# KiCad board NX-J401-Adapter.kicad_pcb (continued)
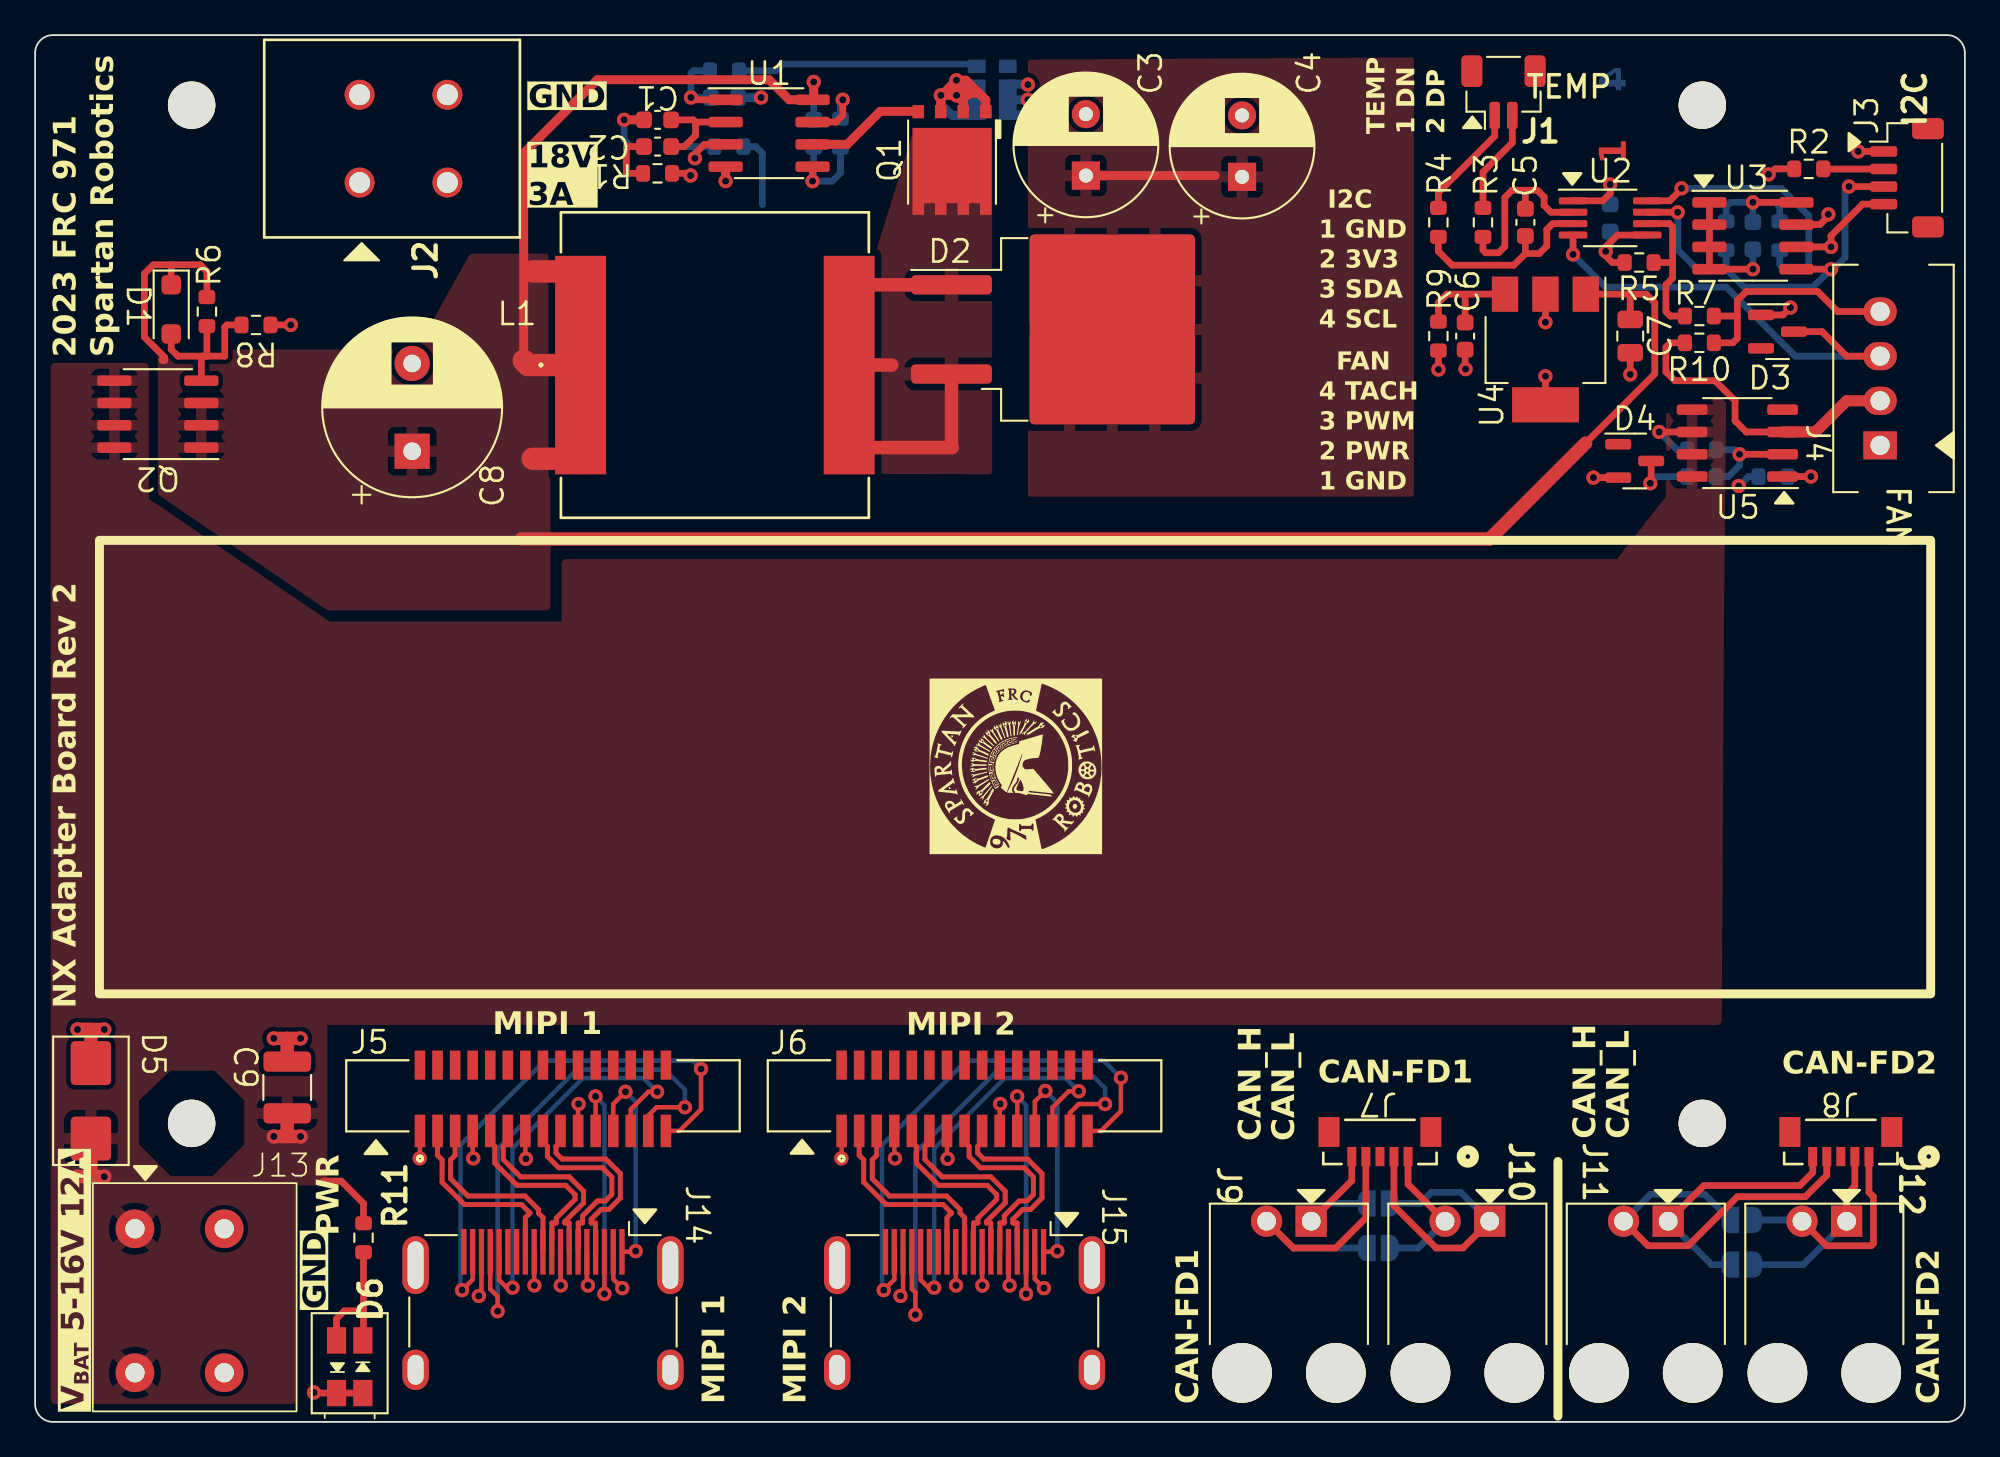
[diagram p0: board, top side]
## Library data of the parts (continued)
U5 = -: Description: Power Switch/Driver 1:1 N-Channel 2A PG-DSO-8-24; DIST: Digikey; DIST P/N: ISP762TFUMA1CT-ND; MFG: Infineon; MFG P/N: ISP762TFUMA1; Page: 5/5

## Footprints (pads in the part's own frame, mm; a bottom-side part is the same pattern mirrored in y, then rotated)
70543-0003
  rect 1.6x1.905 hole 1.092: 1(0,0)
  oval 1.6x1.905 hole 1.092: 2(-2.54,0) 3(-5.08,0) 4(-7.62,0)
70555-0001
  round 3.4 hole 3.4 unplated: (8.64,2.67) (8.64,-2.67)
  rect 1.778x1.778 hole 1.067: 1(0,1.27)
  round 1.778 hole 1.067: 2(0,-1.27)
C_0603_1608Metric
  rrect 0.9x0.95 smd: 1(-0.775,0) 2(0.775,0)
C_0805_2012Metric
  rrect 1x1.45 smd: 1(-0.95,0) 2(0.95,0)
C_1210_3225Metric
  rrect 1.15x2.7 smd: 1(-1.475,0) 2(1.475,0)
CONN_69140872_WRE
  round 1.702 hole 1.194: 1(0,0) 1(0,-5) 2(5,0) 2(5,-5)
CONN_BM05B-SURS-TF_JST
  rect 0.508x1.092 smd: 1(-1.6,0.83) 2(-0.8,0.83) 3(0,0.83) 4(0.8,0.83) 5(1.6,0.83)
  rect 1.194x1.702 smd: 6(-2.9,-0.57) 7(2.9,-0.57)
CP_Radial_D8.0mm_P3.50mm
  rect 1.6x1.6 hole 0.8: 1(0,0)
  round 1.6 hole 0.8: 2(3.5,0)
CP_Radial_D10.0mm_P5.00mm
  rect 2x2 hole 1: 1(0,0)
  round 2 hole 1: 2(5,0)
D_SMB
  rrect 2.5x2.3 smd: 1(-2.15,0) 2(2.15,0)
D_SOD-123F
  rrect 1.1x1.1 smd: 1(-1.4,0) 2(1.4,0)
HDMI_A_Molex_208658-1001_Horizontal
  rect 2.6x0.3 smd: 1(-3.285,4.5) 2(-3.285,4) 3(-3.285,3.5) 4(-3.285,3) 5(-3.285,2.5) 6(-3.285,2) 7(-3.285,1.5) 8(-3.285,1) 9(-3.285,0.5) 10(-3.285,0) 11(-3.285,-0.5) 12(-3.285,-1) 13(-3.285,-1.5) 14(-3.285,-2) 15(-3.285,-2.5) 16(-3.285,-3) 17(-3.285,-3.5) 18(-3.285,-4) 19(-3.285,-4.5)
  oval 3.3x1.5 hole 2.7x0.9: SH(-2.525,7.25) SH(-2.525,-7.25)
  oval 2.3x1.5 hole 1.7x0.9: SH(3.435,7.25) SH(3.435,-7.25)
IND_IHLP-6767GZ_VIS
  rect 2.896x12.446 smd: 1(-7.645,0) 2(7.645,0)
JST_SH_BM02B-SRSS-TB_1x02-1MP_P1.00mm_Vertical
  rrect 0.6x1.55 smd: 1(-0.5,-1.325) 2(0.5,-1.325)
  rrect 1.2x1.8 smd: MP(-1.8,1.2) MP(1.8,1.2)
JST_SH_BM04B-SRSS-TB_1x04-1MP_P1.00mm_Vertical
  rrect 0.6x1.55 smd: 1(-1.5,-1.325) 2(-0.5,-1.325) 3(0.5,-1.325) 4(1.5,-1.325)
  rrect 1.2x1.8 smd: MP(-2.8,1.2) MP(2.8,1.2)
LED-Dialight-5913001858F
  rect 1.5x1.09 smd: 1(1.5,-0.75) 2(-1.5,-0.75) 3(1.5,0.75) 4(-1.5,0.75)
MountingHole_2.7mm_M2.5
  round 2.7 hole 2.7 unplated: (0,0)
MSOP-8_3x3mm_P0.65mm
  rrect 1.625x0.4 smd: 1(-2.112,0.975) 2(-2.112,0.325) 3(-2.112,-0.325) 4(-2.112,-0.975) 5(2.112,-0.975) 6(2.112,-0.325) 7(2.112,0.325) 8(2.112,0.975)
R_0603_1608Metric
  rrect 0.8x0.95 smd: 1(-0.825,0) 2(0.825,0)
R_Shunt_Vishay_WSKW0612
  rect 2.287x1.01 smd: 1(-0.572,0.885) 4(-0.572,-0.885)
  rect 0.762x1.01 smd: 2(1.334,0.885) 3(1.334,-0.885)
SO-8_3.9x4.9mm_P1.27mm
  rrect 1.75x0.6 smd: 1(-2.575,1.905) 2(-2.575,0.635) 3(-2.575,-0.635) 4(-2.575,-1.905) 5(2.575,-1.905) 6(2.575,-0.635) 7(2.575,0.635) 8(2.575,1.905)
SOIC-8_3.9x4.9mm_P1.27mm
  rrect 1.95x0.6 smd: 1(-2.475,1.905) 2(-2.475,0.635) 3(-2.475,-0.635) 4(-2.475,-1.905) 5(2.475,-1.905) 6(2.475,-0.635) 7(2.475,0.635) 8(2.475,1.905)
SolderJumper-2_P1.3mm_Open_RoundedPad1.0x1.5mm
  custom 1x1.5 smd: 1(-0.65,0) 2(0.65,0)
SOT-23
  rrect 1.475x0.6 smd: 1(-0.938,0.95) 2(-0.938,-0.95) 3(0.938,0)
SOT-223-3_TabPin2
  rect 2x1.5 smd: 1(-3.15,2.3) 2(-3.15,0) 3(-3.15,-2.3)
  rect 2x3.8 smd: 2(3.15,0)
TE_1-1734248-5
  rect 0.6x1.85 smd: 1(-7,-2.025) 2(-6,-2.025) 3(-5,-2.025) 4(-4,-2.025) 5(-3,-2.025) 6(-2,-2.025) 7(-1,-2.025) 8(0,-2.025) 9(1,-2.025) 10(2,-2.025) 11(3,-2.025) 12(4,-2.025) 13(5,-2.025) 14(6,-2.025) 15(7,-2.025)
  rect 0.6x1.65 smd: 1_1(-7,1.725) 2_1(-6,1.725) 3_1(-5,1.725) 4_1(-4,1.725) 5_1(-3,1.725) 6_1(-2,1.725) 7_1(-1,1.725) 8_1(0,1.725) 9_1(1,1.725) 10_1(2,1.725) 11_1(3,1.725) 12_1(4,1.725) 13_1(5,1.725) 14_1(6,1.725) 15_1(7,1.725)
TI-SON5x6
  rect 0.75x0.66 smd: 1(2.75,-1.92) 2(2.75,-0.64) 3(2.75,0.64) 4(2.75,1.92)
  custom 4.95x4.5 smd: 5(-0.32,0)
TO-263-2
  rrect 4.6x1.1 smd: 1(-7.65,2.54) 3(-7.65,-2.54)
  rrect 4.55x5.25 smd: 2(-0.925,2.775) 2(-0.925,-2.775) 2(3.925,2.775) 2(3.925,-2.775)
  rrect 9.4x10.8 smd: 2(1.5,0)
Wurth-691406510002B
  round 2.2 hole 1.1: 1(0,0) 1(0,-8.2) 2(5.08,0) 2(5.08,-8.2)

## Nets
+3V3: C12.1 C13.1 R2.2 R9.1 R17.2 R18.2 U2.1 U3.8
/MIPI-HDMI-1/GND_MIPI: J5.1 J5.4 J5.7 J5.10 J14.2 J14.5 J14.8 J14.11 J14.17 J14.SH
/MIPI-HDMI-2/GND_MIPI: J6.1 J6.4 J6.7 J6.10 J15.2 J15.5 J15.8 J15.11 J15.17 J15.SH
/Power Supply/+18V: C3.1 C4.1 D2.2 J2.1 R15.2
GND: C1.2 C3.2 C4.2 C6.2 C7.2 C8.2 C9.1 C10.2 C11.2 C12.2 C13.2 D3.1 D4.2 D5.1 D6.2 D6.4 J2.2 J3.1 J4.1 J13.2 R1.1 R5.1 R8.1 R13.1 R14.1 R16.1 R20.1 U1.4 U1.5 U2.5 U3.1 U3.2 U3.3 U3.4 U3.7 U4.2
/CAN_FD1_H: J8.4 J11.2 JP2.1
/CAN_FD1_L: J8.5 J11.1 JP4.1
/CAN_FD2_H: J7.4 J9.2 JP3.1
/CAN_FD2_L: J7.5 J9.1 JP1.1
/CAN_FD_DC1_H: J8.1 J12.2 JP2.2
/CAN_FD_DC1_L: J8.2 J12.1 JP4.2
/CAN_FD_DC2_H: J7.1 J10.2 JP3.2
/CAN_FD_DC2_L: J7.2 J10.1 JP1.2
/Fan Control/I2C_SCL: J3.4 R17.1 U2.8 U3.6
/Fan Control/I2C_SDA: J3.3 R18.1 U2.7 U3.5
/Fan Control/TMP_DN: J1.1 R4.2
/Fan Control/TMP_DP: J1.2 R3.2
/FAN_PWM: D3.3 J4.3 U2.4
/FAN_PWR: J4.2 R10.2 U5.3
/FAN_TACH: J4.4 R7.1 R10.1
/MIPI-HDMI-1/CAM_3V3: J5.15 J14.18
/MIPI-HDMI-1/CAM_CK_N: J5.8 J14.6
/MIPI-HDMI-1/CAM_CK_P: J5.9 J14.4
/MIPI-HDMI-1/CAM_D0_N: J5.2 J14.12
/MIPI-HDMI-1/CAM_D0_P: J5.3 J14.10
/MIPI-HDMI-1/CAM_D1_N: J5.5 J14.9
/MIPI-HDMI-1/CAM_D1_P: J5.6 J14.7
/MIPI-HDMI-1/CAM_MCLK: J5.12 J14.1
/MIPI-HDMI-1/CAM_SCL: J5.13 J14.15
/MIPI-HDMI-1/CAM_SDA: J5.14 J14.16
/MIPI-HDMI-1/PWR_DN_LS: J5.11 J14.3
/MIPI-HDMI-2/CAM_3V3: J6.15 J15.18
/MIPI-HDMI-2/CAM_CK_N: J6.8 J15.6
/MIPI-HDMI-2/CAM_CK_P: J6.9 J15.4
/MIPI-HDMI-2/CAM_D0_N: J6.2 J15.12
/MIPI-HDMI-2/CAM_D0_P: J6.3 J15.10
/MIPI-HDMI-2/CAM_D1_N: J6.5 J15.9
/MIPI-HDMI-2/CAM_D1_P: J6.6 J15.7
/MIPI-HDMI-2/CAM_MCLK: J6.12 J15.1
/MIPI-HDMI-2/CAM_SCL: J6.13 J15.15
/MIPI-HDMI-2/CAM_SDA: J6.14 J15.16
/MIPI-HDMI-2/PWR_DN_LS: J6.11 J15.3
/Power Supply/SW: D2.1 D2.3 L1.2 Q1.5
/Power Supply/V_IN: C7.1 C8.1 C11.1 D1.1 L1.1 Q2.1 Q2.2 Q2.3 R6.2 U1.8 U4.1
/Power Supply/V_{BAT}: C9.2 D5.2 J13.1 Q2.5 Q2.6 Q2.7 Q2.8 R11.2 R19.2 U5.5 U5.6 U5.7 U5.8
Net-(C2-Pad2): C2.2 R1.2
Net-(D1-A): D1.2 Q2.4 R6.1 R8.2
Net-(D4-K-Pad3): D4.3 R21.1
Net-(D6A-Red-K): D6.1 D6.3 R11.1
Net-(J3-Pin_2): J3.2 R2.1
Net-(Q1-G): Q1.4 U1.6
Net-(Q1-S-Pad1): Q1.1 Q1.2 Q1.3 R13.4
Net-(R12-Pad1): R12.1 R13.3
Net-(U1-COMP): C1.1 C2.1 U1.2
Net-(U1-FA/SD): R14.2 U1.7
Net-(U1-FB): R15.1 R16.2 U1.3
Net-(U1-I_{SEN}): C10.1 R12.2 U1.1
Net-(U2-DN): C5.2 R4.1 U2.3
Net-(U2-DP): C5.1 R3.1 U2.2
Net-(U2-~{ALERT}/TACH): R5.2 R7.2 U2.6
Net-(U4-OUT): C6.1 R9.2 U4.3
Net-(U5-GND): R20.2 U5.1
Net-(U5-IN): R19.1 R21.2 U5.2

Pads without a net: D3 2; D4 1; J1 MP; J3 MP; J5 1_1 2_1 3_1 4_1 5_1 6_1 7_1 8_1 9_1 10_1 11_1 12_1 13_1 14_1 15_1; J6 1_1 2_1 3_1 4_1 5_1 6_1 7_1 8_1 9_1 10_1 11_1 12_1 13_1 14_1 15_1; J7 3 6 7; J8 3 6 7; J14 13 14 19; J15 13 14 19; R13 2; U5 4

## Via types
v1: diameter 0.813, hole 0.406, Top to Bottom, 88 vias

## Routing (per net, layer and track width the routed paths; a pad name or vN(x,y) marks a point on that pad's centre or on a via; arc(x,y) is an arc through that point)
+3V3: length 15.1
  Top w0.381: U3.8 v1(97.79,69.47) ; R2.2 99.06,71.37 98.75,71.06 v1(98.68,71.06) ; 87.55,69.55 89.24,69.55 89.66,69.98 v1(89.66,70.48) ; R9.1 v1(79.88,59.94)
  Bottom w0.381: R18.2 96.27,69.21 96.52,69.47 v1(97.79,69.47) ; C12.1 v1(89.66,70.48) ; v1(97.79,69.47) C13.1 ; v1(97.79,69.47) 99.06,69.47 99.31,69.21 R17.2
/MIPI-HDMI-1/GND_MIPI: length 16.9
  Top w0.254: v1(21.89,15.01) 21.91,15.03 J5.1 ; J5.7 27.91,15.02 v1(27.94,14.99) ; J5.10 30.91,18.08 v1(30.94,18.11) ; v1(29.92,7.77) 29.91,7.78 J14.8 ; J14.2 32.91,8.14 v1(33.43,7.62) ; v1(24.94,15.01) 24.91,15.05 J5.4 ; J14.17 25.41,7.32 v1(25.26,7.17) ; J14.11 28.41,7.79 v1(28.42,7.77) ; J14.5 31.41,7.83 v1(31.47,7.77)
/MIPI-HDMI-2/GND_MIPI: length 16.9
  Top w0.254: v1(54.94,18.11) 54.91,18.08 54.91,16.57 ; 56.91,9.69 56.91,8.14 v1(57.43,7.62) ; 45.91,16.57 45.91,15.03 v1(45.9,15.01) ; v1(51.94,14.99) 51.91,15.02 51.91,16.57 ; 52.41,9.69 52.41,7.79 v1(52.43,7.77) ; 53.91,9.69 53.91,7.78 v1(53.92,7.77) ; v1(48.95,15.01) 48.91,15.05 48.91,16.57 ; 49.41,9.69 49.41,7.32 v1(49.26,7.17) ; 55.41,9.69 55.41,7.83 v1(55.47,7.77)
/Power Supply/+18V: length 11.4
  Top w0.508: C3.1 61.72,70.99 63.12,70.99 67.18,70.99
  Bottom w0.381: R15.2 41.02,72.64 41.4,72.26 41.4,69.47 ; 41.4,69.34 41.4,69.37
GND: length 56.4
  Top w0.254: v1(44.26,70.67) 44.2,70.61
  Top w0.381: U4.2 85.98,62.61 v1(85.98,62.64) ; U3.1 U3.2 U3.3 U3.4 v1(97.79,65.66) ; v1(99.92,63.47) 99.5,63.05 D3.1 ; v1(102.08,68.78) 102.11,68.76 102.11,68.71 101.6,68.2 U3.7 ; D4.2 v1(88.71,53.79) 88.65,53.72 ; C7.2 v1(90.81,59.66) ; 37.46,70.85 v1(37.31,71) 37.17,71 37.05,71.12 R1.1 ; 103.76,72.39 v1(103.78,72.37) J3.1 ; D6.2 D6.4 15.91,1.64 v1(15.88,1.68) ; R5.1 89.79,66.04 89.41,66.42 v1(89.41,66.67) 89.41,66.93 90.08,67.6 U2.5 ; 44.26,71.5 v1(44.26,70.67) ; C6.2 81.41,59.94 v1(81.43,59.97) ; R8.1 v1(14.55,62.48) ; U4.2 v1(85.98,59.56)
  Top w0.508: 39.24,70.61 v1(39.31,70.68) U1.4 ; C1.2 v1(33.53,74.17)
  Top w0.762: C9.1 14.35,21.84 ; 14.35,21.84 v1(15.11,21.84) ; 14.35,21.84 v1(13.59,21.84) ; v1(3.94,22.35) v1(2.41,22.35) 3.17,22.35 D5.1
  Bottom w0.381: R14.1 45.85,71.15 45.38,70.67 v1(44.26,70.67) 44.32,70.74 C11.2 ; v1(33.53,74.17) 33.53,73.02 33.91,72.64 R16.1 ; C12.2 89.66,66.93 v1(89.41,66.67) ; R20.1 97.54,53.85 97.03,53.34 97.01,53.34 v1(96.98,53.31) ; C13.2 v1(97.79,65.66)
  Bottom w0.508: 55.37,75.31 55.37,76.2 56.51,76.2 v1(56.51,76.17) ; 55.37,75.31 55.37,74.45 56.54,74.45 v1(56.54,74.45) ; 55.37,75.31 v1(56.51,75.31) ; C10.2 v1(41.33,75.44)
/CAN_FD1_H: length 22.2
  Top w0.381: J8.4 101.99,14.05 100.77,12.83 96.9,12.83 94.11,10.03 91.82,10.03 J11.2
  Bottom w0.381: JP2.1 95.05,12.95 91.95,12.95 J11.2
/CAN_FD1_L: length 14.9
  Top w0.381: J8.5 101.19,14.2 100.46,13.46 95,13.46 J11.1
  Bottom w0.381: J11.1 95.43,8.96 JP4.1
/CAN_FD2_H: length 16.8
  Top w0.381: J7.4 75.76,11.62 74.04,9.91 71.63,9.91 J9.2
  Bottom w0.381: JP3.1 71.63,9.91 J9.2
/CAN_FD2_L: length 8.2
  Top w0.381: J7.5 74.96,13.74 72.64,11.43
  Bottom w0.381: JP1.1 73.66,12.45 72.64,11.43
/CAN_FD_DC1_H: length 12.6
  Top w0.381: J12.2 101.98,10.03 104.52,10.03 104.65,10.16 104.65,12.83 104.39,13.08 J8.1
  Bottom w0.381: J12.2 100.51,11.5 JP2.2
/CAN_FD_DC1_L: length 10.2
  Top w0.381: J12.1 103.12,12.95 103.59,13.42 J8.2
  Bottom w0.381: JP4.2 100.65,8.96 J12.1
/CAN_FD_DC2_H: length 8.3
  Top w0.381: J10.2 78.16,13.54 J7.1
  Bottom w0.381: J10.2 78.74,9.91 JP3.2
/CAN_FD_DC2_L: length 16.5
  Top w0.381: J7.2 77.36,12.31 79.76,9.91 81.28,9.91 J10.1
  Bottom w0.381: J10.1 81.15,13.08 79.5,13.08 78.87,12.45 JP1.2
/Fan Control/I2C_SCL: length 23.2
  Top w0.381: v1(93.73,70.27) 93.73,70.23 93.05,69.55 91.77,69.55 ; J3.4 104.04,69.37 102.24,67.56 v1(102.24,66.93) U3.6
  Bottom w0.381: v1(102.24,66.93) 100.96,66.93 ; 100.96,66.93 100.96,68.71 99.41,70.27 v1(93.73,70.27) ; 100.96,66.93 100.96,65.91 100.71,65.66 99.57,65.66 99.31,65.91 R17.1
/Fan Control/I2C_SDA: length 24.1
  Top w0.381: v1(102.24,65.66) U3.5 ; 93.51,68.89 93.5,68.9 U2.7 ; J3.3 v1(103.26,70.37) 103.25,70.36
  Bottom w0.381: 96.27,65.66 97.28,64.64 101.22,64.64 v1(102.24,65.66) 102.36,65.66 103.03,66.33 103.03,70.14 v1(103.26,70.37) ; 96.27,65.66 94.62,65.66 93.51,66.76 93.51,68.89 93.51,68.9 v1(93.5,68.9) ; 96.27,65.66 R18.1
/Fan Control/TMP_DN: length 6.6
  Top w0.381: R4.2 79.88,70.03 83.09,73.24 J1.1
/Fan Control/TMP_DP: length 6
  Top w0.381: J1.2 84.09,72.86 82.42,71.2 R3.2
/FAN_PWM: length 26.5
  Top w0.381: D3.3 101.73,62.1 103.12,60.71 J4.3 ; 87.63,66.42 v1(87.55,66.5) U2.4
  Bottom w0.381: 87.63,66.42 89.41,64.64 96.27,64.64 100.2,60.71 J4.3
/FAN_PWR: length 17.6
  Top w0.381: U5.3 97.41,56.39 96.77,57.02 96.77,58.17 95.63,59.31 93.34,59.31 92.84,59.82 92.84,61.21 93.09,61.47 R10.2
  Top w0.635: U5.3 101.35,56.39 103.12,58.17 J4.2
/FAN_TACH: length 13.7
  Top w0.381: R7.1 96.9,62.99 ; 96.9,62.99 96.9,61.72 96.65,61.47 R10.1 ; 96.9,62.99 96.9,63.88 97.41,64.39 101.47,64.39 102.62,63.25 J4.4
/MIPI-HDMI-1/CAM_3V3: length 31.4
  Top w0.254: v1(24.3,7.51) 24.91,8.11 J14.18 ; J5.15 36.68,16.57 37.91,17.8 v1(37.91,20.1)
  Bottom w0.254: v1(37.91,20.1) 37.44,20.57 29.01,20.57 24.21,15.78 24.21,7.6 v1(24.3,7.51)
/MIPI-HDMI-1/CAM_CK_N: length 11.2
  Top w0.283: J5.8 28.91,15.95 29.17,15.69 29.17,15.12 29.81,14.48 32.3,14.48 32.83,13.95 32.83,12.95 32.46,12.59 32.02,12.59 31.17,11.74 31.17,11.33 30.92,11.33 30.92,10.85 30.91,10.84 J14.6
/MIPI-HDMI-1/CAM_CK_P: length 11.2
  Top w0.283: J5.9 29.91,15.95 29.65,15.69 29.65,15.32 30,14.98 32.49,14.98 33.31,14.15 33.31,12.75 32.66,12.1 32.22,12.1 31.65,11.53 31.65,11.33 31.9,11.33 31.9,10.85 31.91,10.84 J14.4
/MIPI-HDMI-1/CAM_D0_N: length 11.1
  Top w0.283: J14.12 27.91,11.64 28.17,11.9 28.17,11.9 27.69,12.38 24.44,12.38 23.17,13.65 23.17,14.93 22.91,15.19 J5.2
/MIPI-HDMI-1/CAM_D0_P: length 11.1
  Top w0.283: J14.10 28.91,11.64 28.65,11.9 28.65,12.1 27.89,12.87 24.64,12.87 23.65,13.85 23.65,14.93 23.91,15.19 J5.3
/MIPI-HDMI-1/CAM_D1_N: length 11.2
  Top w0.283: J14.9 29.41,10.84 29.42,10.85 29.42,11.33 29.67,11.33 29.67,11.61 30.73,12.67 30.73,12.94 30.2,13.47 27.43,13.47 26.17,14.74 26.17,15.69 25.91,15.95 J5.5
/MIPI-HDMI-1/CAM_D1_P: length 11.2
  Top w0.283: J14.7 30.41,10.84 30.4,10.85 30.4,11.33 30.15,11.33 30.15,11.4 31.22,12.47 31.22,13.14 30.4,13.96 27.63,13.96 26.65,14.94 26.65,15.69 26.91,15.95 J5.6
/MIPI-HDMI-1/CAM_MCLK: length 12.6
  Top w0.254: v1(34.19,9.73) 34.15,9.69 J14.1 ; J5.12 32.91,18.1 v1(33.61,18.8)
  Bottom w0.254: v1(33.61,18.8) 34.19,18.22 v1(34.19,9.73)
/MIPI-HDMI-1/CAM_SCL: length 23.8
  Top w0.254: J14.15 26.41,8.09 26.85,7.65 v1(27.18,7.65) ; v1(35.41,18.8) 34.91,18.8 33.91,17.8 J5.13
  Bottom w0.254: v1(27.18,7.65) 27.18,15.57 31.19,19.58 34.63,19.58 v1(35.41,18.8)
/MIPI-HDMI-1/CAM_SDA: length 30
  Top w0.254: v1(36.99,17.92) 35.38,17.92 34.91,17.45 J5.14 ; v1(26.33,6.3) 26.33,7.14 25.91,7.56 J14.16
  Bottom w0.254: v1(36.99,17.92) 36.99,18.92 35.85,20.07 30.84,20.07 26.33,15.56 v1(26.33,6.3)
/MIPI-HDMI-1/PWR_DN_LS: length 15.8
  Top w0.254: v1(31.9,18.54) 31.91,18.54 J5.11 ; v1(32.41,7.29) 32.41,7.29 J14.3
  Bottom w0.254: v1(32.41,7.29) 32.41,18.03 v1(31.9,18.54)
/MIPI-HDMI-2/CAM_3V3: length 31
  Top w0.254: v1(61.81,19.6) 61.81,17.7 60.68,16.57 59.91,16.57 ; 48.91,9.69 48.91,8.11 v1(48.31,7.51)
  Bottom w0.254: v1(61.81,19.6) 60.84,20.57 53.01,20.57 48.21,15.78 48.21,7.6 v1(48.31,7.51)
/MIPI-HDMI-2/CAM_CK_N: length 11.2
  Top w0.283: 54.91,9.69 54.91,10.84 54.92,10.85 54.92,11.33 55.17,11.33 55.17,11.74 56.02,12.59 56.47,12.59 56.83,12.95 56.83,13.95 56.3,14.48 53.81,14.48 53.17,15.12 53.17,15.69 52.91,15.95 52.91,16.57
/MIPI-HDMI-2/CAM_CK_P: length 11.2
  Top w0.283: 53.91,16.57 53.91,15.95 53.66,15.69 53.66,15.32 54,14.98 56.49,14.98 57.32,14.15 57.32,12.75 56.67,12.1 56.22,12.1 55.66,11.53 55.66,11.33 55.9,11.33 55.9,10.85 55.91,10.84 55.91,9.69
/MIPI-HDMI-2/CAM_D0_N: length 11.1
  Top w0.283: 46.91,16.57 46.91,15.19 47.17,14.93 47.17,13.65 48.44,12.38 51.69,12.38 52.17,11.9 52.17,11.9 51.91,11.64 51.91,9.69
/MIPI-HDMI-2/CAM_D0_P: length 11.1
  Top w0.283: 47.91,16.57 47.91,15.19 47.66,14.93 47.66,13.85 48.64,12.87 51.89,12.87 52.66,12.1 52.66,11.9 52.91,11.64 52.91,9.69
/MIPI-HDMI-2/CAM_D1_N: length 11.2
  Top w0.283: 53.41,9.69 53.41,10.84 53.42,10.85 53.42,11.33 53.67,11.33 53.67,11.61 54.74,12.67 54.74,12.94 54.21,13.47 51.44,13.47 50.17,14.74 50.17,15.69 49.91,15.95 49.91,16.57
/MIPI-HDMI-2/CAM_D1_P: length 11.2
  Top w0.283: 50.91,16.57 50.91,15.95 50.66,15.69 50.66,14.94 51.64,13.96 54.41,13.96 55.22,13.14 55.22,12.47 54.16,11.4 54.16,11.33 54.4,11.33 54.4,10.85 54.41,10.84 54.41,9.69
/MIPI-HDMI-2/CAM_MCLK: length 12.7
  Top w0.254: 57.41,9.69 58.15,9.69 v1(58.19,9.73) ; v1(57.51,18.85) 56.91,18.25 56.91,16.57
  Bottom w0.254: v1(57.51,18.85) 58.19,18.17 v1(58.19,9.73)
/MIPI-HDMI-2/CAM_SCL: length 23.9
  Top w0.254: v1(51.18,7.65) 50.85,7.65 50.41,8.09 50.41,9.69 ; 57.91,16.57 57.91,17.91 58.84,18.84 v1(59.41,18.84)
  Bottom w0.254: v1(51.18,7.65) 51.18,15.57 55.19,19.58 58.66,19.58 v1(59.41,18.84)
/MIPI-HDMI-2/CAM_SDA: length 30.2
  Top w0.254: v1(60.91,18.1) 59.41,18.1 58.91,17.61 58.91,16.57 ; 49.91,9.69 49.91,7.56 50.11,7.36 v1(50.11,6.1)
  Bottom w0.254: v1(60.91,18.1) 60.91,19 59.85,20.07 54.84,20.07 50.11,15.34 v1(50.11,6.1)
/MIPI-HDMI-2/PWR_DN_LS: length 15.8
  Top w0.254: v1(56.41,7.29) 56.41,7.29 56.41,9.69 ; v1(55.91,18.54) 55.91,18.54 55.91,16.57
  Bottom w0.254: v1(55.91,18.54) 56.41,18.03 v1(56.41,7.29)
/Power Supply/SW: length 26.8
  Top w0.762: L1.2 46.34,56.78 47.62,55.5 52.2,55.5 52.17,55.53 D2.3 ; L1.2 46.34,64.77 D2.1 ; L1.2 48.77,60.2
/Power Supply/V_IN: length 145.9
  Top w0.381: 88.26,55.75 92.2,59.69 92.2,63.75 91.72,64.24 90.81,64.24 ; 7.75,65.91 6.73,65.91 6.22,65.4 6.22,61.79 7.37,60.65 7.37,60.45 7.26,60.45 7.21,60.49 ; 7.75,65.91 9.4,65.91 9.78,65.53 R6.2 ; 7.75,65.91 D1.1 ; 90.81,64.24 U4.1 ; 90.81,64.24 C7.1
  Top w0.508: 27.81,60.45 27.81,72.26 32,76.45 41.78,76.45 42.93,75.31 44.26,75.31 44.32,75.38 v1(44.32,76.33)
  Top w0.762: 27.69,50.29 82.8,50.29 88.26,55.75
  Top w1.27: 27.81,60.45 28.07,60.2 L1.1 ; 30.86,57.4 31.05,57.59 L1.1 ; L1.1 31.05,65.34 30.86,65.53 28.32,65.53 ; L1.1 31.05,55.05 30.86,54.86 28.32,54.86
  Bottom w0.381: C11.1 v1(44.32,76.33)
/Power Supply/V_{BAT}: length 14.5
  Top w0.381: 16.38,13.72 17.42,13.72 18.69,12.45 R11.2 ; v1(92.46,56.39) 94.33,56.39
  Top w0.762: 3.17,13.97 v1(2.41,13.97) ; 3.17,13.97 D5.2 ; 3.17,13.97 v1(3.94,13.97) ; 14.1,16.26 v1(15.11,16.26) ; 14.1,16.26 14.35,16.51 C9.2 ; 14.1,16.26 v1(13.59,16.26)
  Bottom w0.381: R19.2 93.47,55.37 v1(92.46,56.39)
Net-(C2-Pad2): length 3.5
  Top w0.381: C2.2 33.66,72.64 33.66,71.12 R1.2
Net-(D1-A): length 10.1
  Top w0.381: Q2.4 9.46,60.64 9.53,60.71 9.78,60.71 ; 9.78,60.71 10.79,60.71 10.79,62.36 10.92,62.48 R8.2 ; 9.78,60.71 R6.1 ; 9.78,60.71 8.13,60.71 7.75,61.09 D1.2
Net-(D4-K-Pad3): length 3.5
  Top w0.381: D4.3 92,53.52 v1(91.95,53.47)
  Bottom w0.381: R21.1 92.33,53.85 v1(91.95,53.47)
Net-(D6A-Red-K): length 8
  Top w0.381: 18.69,6.32 17.6,6.32 17.16,5.88 D6.3 ; 18.69,6.32 18.69,4.68 D6.1 ; 18.69,6.32 R11.1
Net-(J3-Pin_2): length 3.4
  Top w0.381: R2.1 101.8,71.37 J3.2
Net-(Q1-G): length 6.8
  Top w0.508: Q1.4 50.26,74.65 48.11,74.65 46.23,72.77 44.26,72.77
Net-(Q1-S-Pad1): length 17.7
  Top w0.508: 53.2,75.68 v1(52.45,76.42) ; 53.2,75.68 53.74,75.68 54.12,75.3 ; 53.2,75.68 53.09,75.56 v1(52.45,75.56) ; v1(52.45,76.42) 52.99,76.42 54.12,75.3 ; v1(52.45,76.42) v1(52.45,75.56) ; v1(52.45,76.42) 51.59,75.56 v1(51.56,75.56) ; 54.12,75.3 Q1.1 ; v1(52.45,75.56) 52.84,75.18 Q1.2 ; v1(52.45,75.56) v1(51.56,75.56) ; v1(51.56,75.56) 51.56,75.56 Q1.3
  Bottom w0.508: v1(52.45,75.56) 52.7,75.31 R13.4 ; R13.4 53.6,74.43 53.59,74.42 52.2,74.42 51.56,75.06 v1(51.56,75.56) ; R13.4 53.6,75.94 53.34,76.2 52.68,76.2 v1(52.45,76.42)
Net-(R12-Pad1): length 13.7
  Bottom w0.381: 53.6,77.22 53.48,77.34 42.55,77.34 42.16,76.96 R12.1
Net-(U1-COMP): length 5.6
  Top w0.381: C2.1 36.96,72.64 37.59,73.28 37.59,74.04 ; 37.59,74.04 37.46,74.17 C1.1 ; 37.59,74.04 U1.2
Net-(U1-FA/SD): length 3.9
  Top w0.381: v1(45.97,75.31) 45.97,74.42 45.59,74.04 44.26,74.04
  Bottom w0.381: v1(45.97,75.31) 45.85,75.18 R14.2
Net-(U1-FB): length 5.6
  Top w0.381: U1.3 38.1,72.77 37.53,72.2 37.53,71.86
  Bottom w0.381: 37.59,72.64 38.67,72.64 ; 37.59,72.64 37.59,71.92 37.56,71.89 v1(37.56,71.98) ; 37.59,72.64 R16.2
Net-(U1-I_{SEN}): length 5.7
  Top w0.381: U1.1 37.46,75.31 v1(37.34,75.44)
  Bottom w0.381: C10.1 v1(37.34,75.44) 37.34,76.83 37.46,76.96 R12.2
Net-(U2-DN): length 11.4
  Top w0.381: C5.2 84.84,66.55 ; 84.84,66.55 84.18,65.89 80.67,65.89 79.88,66.67 R4.1 ; 84.84,66.55 85.62,66.55 86.06,66.98 86.06,67.92 86.39,68.25 86.69,68.25 86.69,68.25 87.55,68.25
Net-(U2-DP): length 10.9
  Top w0.381: R3.1 82.42,66.75 82.58,66.6 83.31,66.6 83.67,66.95 83.67,69.75 84.07,70.15 84.81,70.15 ; 84.81,70.15 84.84,70.13 84.84,69.1 ; 84.81,70.15 85.52,70.15 85.9,69.77 85.9,69.29 86.29,68.9 U2.2
Net-(U2-~{ALERT}/TACH): length 8.8
  Top w0.381: 93.22,66.04 93.22,65.15 92.84,64.77 92.84,63.25 93.09,62.99 R7.2 ; 93.22,66.04 R5.2 ; 93.22,66.04 93.22,68.07 93.03,68.25 91.77,68.25
Net-(U4-OUT): length 6.7
  Top w0.381: 81.41,64.24 C6.1 ; R9.2 79.88,63.75 80.37,64.24 U4.3
Net-(U5-GND): length 2.9
  Top w0.381: v1(101.09,53.85) U5.1
  Bottom w0.381: R20.2 v1(101.09,53.85)
Net-(U5-IN): length 6.1
  Top w0.381: v1(97.03,55.12) U5.2
  Bottom w0.381: R19.1 96.77,55.37 v1(97.03,55.12) 97.03,54.48 96.39,53.85 R21.2

## Copper pours and planes (outline as drawn; the poured copper is in the pictures)
+3V3 on In1.Cu: 108.58,71.63 108.58,56.77 78.49,56.77 78.49,77.72 88.52,77.72 88.52,71.63
/MIPI-HDMI-1/GND_MIPI on Bottom, In1.Cu, In2.Cu: 17.14,22.1 17.14,1.02 40.51,1.02 40.51,22.1
/MIPI-HDMI-2/GND_MIPI on Bottom, In1.Cu, In2.Cu: 41.53,22.1 41.53,1.02 64.39,1.02 64.39,22.1
/Power Supply/+18V on Top: 56.51,77.6 56.51,52.7 78.49,52.7 78.49,77.72
/Power Supply/+18V on Bottom: 73.02,77.72 58.8,77.72 52.83,70.23 32.26,70.1 32.38,73.02 16.64,73.02 16.51,62.1 73.28,62.1
GND on Bottom, In1.Cu, In2.Cu: 16.64,1.02 16.64,22.61 108.58,22.61 108.58,75.06 99.06,75.06 99.06,71.63 90.81,71.63 90.81,77.72 13.08,77.72 13.08,71.12 0.89,71.12 0.89,1.02
/Power Supply/SW on Top: 50.04,73.66 47.79,66.42 47.76,54 54.48,53.97 54.48,73.66
/Power Supply/V_IN on Top, In2.Cu: 29.34,66.55 24.76,66.55 21.72,61.09 6.98,61.09 6.98,52.83 16.64,46.23 29.34,46.23
/Power Supply/V_{BAT} on Top, In2.Cu: 0.89,60.32 6.48,60.32 6.48,52.58 16.76,45.59 29.97,45.59 29.97,49.15 90.04,49.15 92.84,52.7 92.84,58.29 96.27,58.29 96.14,45.59 96.01,22.61 16.64,22.61 16.64,13.46 14.86,13.46 14.86,1.02 0.89,1.02

## Text on the board
Bottom: 4 | ${LAYER}
B.Fab: ${LAYER}
B.Mask: ${LAYER}
B.Paste: ${LAYER}
B.Silkscreen: FAN / 4 TACH / 3 PWM / 2 PWR / 1 GND | ${LAYER}
User.Comments: ${LAYER}
User.Drawings: ${LAYER}
Top: 1 | ${LAYER}
F.Fab: ${LAYER}
F.Mask: ${LAYER}
F.Paste: ${LAYER}
F.Silkscreen: I2C / 1 GND / 2 3V3 / 3 SDA / 4 SCL | FAN / 4 TACH / 3 PWM / 2 PWR / 1 GND | TEMP / 1 DN / 2 DP | 18V / 3A | GND | CAN-FD1 | CAN-FD2 | MIPI 1 | MIPI 2 | V_{BAT} 5-16V 12A | 2023 FRC 971 / Spartan Robotics | CAN_H | CAN_L | PWR | NX Adapter Board Rev 2 | ${LAYER}
In1.Cu: 2 | ${LAYER}
In2.Cu: 3 | ${LAYER}
User.1: F.Silkscreen | F.Paste | F.Mask | F.Cu | Dielectric 1 | In1.Cu | Dielectric 2 | In2.Cu | Dielectric 3 | B.Cu | B.Mask | B.Paste | B.Silkscreen | Top Silk Screen | Top Solder Paste | Top Solder Mask | copper | prepreg | core | Bottom Solder Mask | Bottom Solder Paste | Bottom Silk Screen | Not specified | 7628 | FR4 | 0 mils | 0.3937007874 mils | 1.377952756 mils | 8.031496063 mils | 0.5984251969 mils | 41.92913386 mils | White | Green | 1 | 3.3 | 4.5 | 0 | 0.02 | Copper Layer Count: | Board overall dimensions: | Min track/spacing: | Copper Finish: | Castellated pads: | Edge card connectors: | 4 | 4325.00 mils x 3110.00 mils | 10.00 mils / 7.86 mils | ENIG | No | Board Thickness: | Min hole diameter: | Impedance Control: | Plated Board Edge: | 62.73 mils | 11.81 mils | Yes | Layer Name | Type | Material | Thickness (mils) | Color | Epsilon R | Loss Tangent | DRILL TABLE | BOARD CHARACTERISTICS | ${LAYER}
User.2: ${LAYER} | FRONT FAB | BACK FAB
